# Altium PCB JammerCon_v1.1.PcbDoc (part 2 of 2)
Units mm, origin at the board's own origin, x right, y up, seen from the top; angles counter-clockwise.
Board outline 253.36 x 28.19 mm, 2 copper layers (Top Layer, Bottom Layer), stack 1.671 mm thick; 135 components, 65 nets, 440 pads, 735 vias.
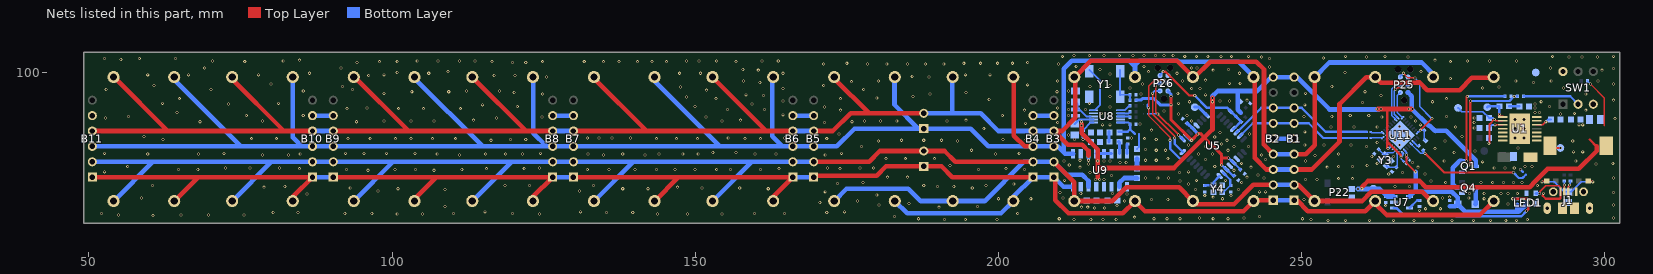
[diagram p2: the nets of this part, all layers, seen from the top]

## Via types
v1: diameter 0.5, hole 0.3, Top Layer to Bottom Layer, tented both sides, 729 vias
v2: diameter 0.6, hole 0.504, Top Layer to Bottom Layer, tented both sides, 6 vias

## Nets (pads, with @x,y where several pads share a name; then routed paths per layer and width w, separated by ;. In a path a pad name is that pad's centre, name@x,y a point inside that pad or via, vN(x,y) a via of type N, cw(c..) or ccw(c..) an arc to the next point about the centre after c; other vN are vias at no path point) (continued)
GND: B1.5 B2.5 B3.5 B4.5 B5.5 B6.5 B7.5 B8.5 B9.5 B10.5 B11.5 C2.1 C5.1 C7.1 C8.1 C10.1 C14.1 C15.1 C17.2 C19.1 C20.1 C21.2 C22.2 C23.2 C24.2 C25.2 C26.2 C29.2 C34.1 C35.1 C37.2 C38.2 C39.1 C41.1 C42.1 C43.2 C44.2 P22.1 P25.6 P26.6 R4.1 R5.2 R24.2 R33.1 R36.1 SB3.2 SW1.3 SW1.4 TP6.1 U1.6 U1.7 U1.11 U1.12 U1.13 U1.14 U1.15 U5.3 U5.5 U5.21 U7.2 U8.4 U8.9 U9.2 U9.9 U9.11 U9.15 U11.3 U11.33 Y1.2 Y3.2 Y3.4 Y4.2 Y4.4 | length 17.7
  Bottom Layer w0.381: v1(286.131,83.947) SB3.2@286.527,83.551 SB3.2@286.497,83.551
  Bottom Layer w0.762: B10.5@86.868,92.837 B9.5@90.297,92.837 ; B8.5@126.492,92.837 B7.5@129.921,92.837 ; B6.5@166.116,92.837 B5.5@169.545,92.837 ; B4.5@205.74,92.837 B3.5@209.169,92.837 ; B2.5@245.364,89.027 B1.5@248.793,89.027
  other v1: 254.381,75.565 257.302,75.565 261.239,75.565 265.176,75.565 268.605,75.565 271.653,75.565 274.828,75.565 278.384,75.565 281.178,75.565 283.718,75.565 285.496,75.565 191.135,75.692 194.564,75.692 199.771,75.692 212.471,75.692 215.265,75.692 217.297,75.692 219.456,75.692 251.587,75.692 287.274,75.692 186.817,75.819 210.058,75.819 225.679,75.819 227.838,75.819 229.997,75.819 235.458,75.819 237.871,75.819 250.19,75.819 233.172,75.946 240.538,75.946 301.498,75.946 222.504,76.073 182.88,76.2 243.078,76.2 60.579,76.327 54.864,76.454 65.151,76.454 69.723,76.454 75.565,76.454 100.838,76.581 105.029,76.581 124.333,76.581 143.764,76.581 148.717,76.581 154.432,76.581 52.07,76.708 92.202,76.708 96.647,76.708 110.109,76.708 119.888,76.708 159.766,76.708 164.719,76.708 203.2,76.708 80.391,76.835 84.455,76.835 135.382,76.835 139.7,76.835 171.704,76.835 115.316,76.962 131.064,76.962 174.625,76.962 269.494,77.216 270.51,77.47 272.923,77.47 215.9,77.597 217.551,77.597 190.246,77.724 213.741,77.724 214.757,77.724 108.712,77.851 196.596,77.851 219.583,77.978 263.906,77.978 180.34,78.105 301.498,78.105 284.099,78.232 185.293,78.359 170.561,78.486 266.192,78.486 176.784,78.74 220.853,78.74 225.298,78.994 227.965,78.994 250.444,78.994 200.025,79.121 205.359,79.121 236.982,79.121 280.162,79.121 58.674,79.248 210.693,79.248 273.304,79.248 277.622,79.248 235.458,79.375 274.447,79.375 234.061,79.629 238.379,79.629 179.959,79.756 85.979,79.883 221.234,79.883 213.614,80.01 218.821,80.01 277.749,80.01 280.162,80.01 282.956,80.01 284.099,80.01 285.623,80.01 210.185,80.137 301.498,80.137 171.45,80.264 243.078,80.264 244.094,80.264 256.159,80.264 97.663,80.391 130.937,80.391 108.712,80.645 232.537,80.645 239.649,80.645 100.965,80.772 138.049,80.772 142.24,80.772 162.052,80.772 93.091,80.899 151.13,80.899 157.353,80.899 195.707,80.899 78.867,81.026 147.066,81.026 82.296,81.153 189.992,81.153 192.659,81.153 265.43,81.153 267.843,81.153 60.452,81.28 118.618,81.28 122.682,81.28 133.223,81.28 187.706,81.28 197.993,81.28 202.565,81.534 231.394,81.534 173.482,81.661 177.673,81.788 240.157,81.788 273.812,81.788 279.654,81.788 281.559,81.788 283.337,81.788 284.988,81.788 286.385,81.788 229.997,82.042 271.399,82.042 210.947,82.169 232.664,82.169 237.49,82.169 250.698,82.296 252.603,82.296 256.159,82.423 258.445,82.423 224.282,82.55 226.314,82.55 228.092,82.55 243.84,82.55 301.498,82.55 181.737,82.677 185.039,82.677 241.046,82.677 218.694,82.931 242.824,83.058 264.414,83.185 270.383,83.185 215.138,83.439 229.87,83.439 266.7,83.439 52.578,83.566 231.394,83.566 96.012,83.82 106.934,83.82 238.887,83.82 64.77,83.947 67.945,83.947 92.456,83.947 100.457,83.947 103.886,83.947 111.506,83.947 132.207,83.947 135.763,83.947 140.081,83.947 143.637,83.947 146.685,83.947 149.987,83.947 153.543,83.947 155.829,83.947 160.782,83.947 196.723,83.947 204.343,83.947 84.709,84.074 115.57,84.074 121.793,84.074 163.83,84.074 173.863,84.074 201.295,84.074 72.517,84.201 76.581,84.201 81.407,84.201 124.333,84.201 171.831,84.201 177.165,84.201 179.451,84.201 281.813,84.201 283.591,84.201 285.115,84.201 213.487,84.328 241.681,84.328 254.254,84.328 269.24,84.328 56.388,84.455 235.712,84.455 256.159,84.455 258.445,84.455 276.479,84.455 286.893,84.455 288.036,84.455 192.024,84.582 260.858,84.582 211.709,84.709 298.577,84.836 240.157,84.963 262.509,84.963 301.371,84.963 220.091,85.09 221.107,85.09 268.351,85.09 279.908,85.217 210.82,85.344 250.698,85.344 273.558,85.344 295.275,85.344 213.487,85.471 224.282,85.471 226.06,85.471 234.188,85.598 244.094,85.598 181.483,85.725 184.658,85.725 189.484,85.725 227.965,85.725 261.62,86.106 265.176,86.106 252.222,86.233 78.613,86.36 82.931,86.36 111.125,86.36 134.874,86.36 141.732,86.36 171.45,86.36 243.459,86.36 59.69,86.487 68.072,86.487 84.836,86.487 107.442,86.487 115.443,86.487 118.745,86.487 121.539,86.487 132.334,86.487 138.049,86.487 144.018,86.487 147.955,86.487 150.495,86.487 159.893,86.487 163.322,86.487 199.517,86.487 233.045,86.487 235.331,86.487 256.159,86.487 52.578,86.614 72.263,86.614 92.329,86.614 95.377,86.614 99.06,86.614 103.759,86.614 124.46,86.614 174.117,86.614 203.454,86.614 152.908,86.741 156.718,86.741 275.209,86.741 294.894,86.868 296.418,86.868 278.638,86.995 195.58,87.122 226.06,87.122 227.584,87.122 237.871,87.122 224.282,87.249 272.034,87.376 285.75,87.503 177.419,87.757 234.188,87.757 238.887,87.757 241.3,87.757 260.731,87.757 231.394,88.011 250.571,88.011 253.746,88.011 258.191,88.011 266.192,88.011 236.855,88.138 262.509,88.392 180.213,88.646 193.294,88.646 273.685,88.646 294.767,88.646 116.332,88.773 184.023,88.773 187.706,88.773 190.627,88.773 237.744,88.773 265.43,88.773 266.954,88.773 62.23,88.9 85.598,88.9 119.507,88.9 122.047,88.9 200.787,88.9 204.597,88.9 212.598,88.9 226.06,88.9 76.835,89.027 80.899,89.027 92.71,89.027 96.393,89.027 100.584,89.027 103.124,89.027 106.68,89.027 110.49,89.027 143.637,89.027 146.939,89.027 150.368,89.027 158.242,89.027 160.782,89.027 171.704,89.027 224.155,89.027 132.207,89.154 134.112,89.154 136.271,89.154 139.319,89.154 155.448,89.154 164.719,89.154 221.996,89.154 235.712,89.281 59.055,89.408 267.716,89.408 276.479,89.408 264.795,89.535 266.192,89.535 211.582,89.662 173.736,89.789 241.427,89.789 236.601,90.043 250.571,90.17 265.43,90.297 266.954,90.297 225.298,90.424 197.612,90.678 278.511,90.805 254.889,90.932 258.699,90.932 262.509,90.932 275.463,90.932 266.192,91.059 217.17,91.313 218.44,91.313 269.621,91.313 223.393,91.44 204.47,91.567 171.323,91.694 209.804,91.694 278.511,91.694 68.326,91.821 94.107,91.821 175.895,91.821 78.613,91.948 98.679,91.948 103.124,91.948 106.934,91.948 154.432,91.948 177.927,91.948 180.594,91.948 183.261,91.948 191.516,91.948 231.902,91.948 268.859,91.948 113.411,92.075 157.48,92.075 194.691,92.075 301.752,92.329 52.705,92.456 117.221,92.456 278.511,92.456 124.714,92.583 151.765,92.583 263.271,92.583 268.097,92.583 56.515,92.71 218.44,92.71 250.444,92.71 255.016,92.71 273.939,92.71 75.946,92.837 85.344,92.837 200.66,92.837 211.582,92.837 231.14,92.837 258.064,92.837 261.112,92.837 164.465,92.964 229.743,93.091 292.735,93.091 217.043,93.218 295.021,93.218 64.516,93.345 288.544,93.345 289.306,93.345 227.33,93.599 173.99,93.726 204.343,93.726 296.926,93.726 155.321,93.853 161.417,93.853 211.582,93.853 214.376,93.853 92.583,93.98 101.092,93.98 105.156,93.98 111.252,93.98 95.885,94.107 209.804,94.107 288.544,94.107 171.323,94.234 218.44,94.234 120.65,94.361 149.987,94.361 290.957,94.361 114.935,94.615 250.571,94.615 73.025,94.742 159.385,94.742 288.544,94.742 62.103,94.869 81.28,94.869 215.011,94.869 229.743,94.869 211.582,94.996 260.096,94.996 231.521,95.123 271.653,95.123 289.56,95.123 164.465,95.25 236.601,95.25 238.125,95.25 241.046,95.377 301.498,95.377 198.501,95.504 64.897,95.631 153.416,95.631 173.99,95.631 273.939,95.631 179.959,95.758 148.59,95.885 185.928,96.012 218.44,96.012 161.29,96.139 263.144,96.139 158.369,96.266 234.188,96.266 124.841,96.393 188.722,96.393 223.52,96.393 296.926,96.393 98.679,96.52 229.616,96.52 250.698,96.52 120.142,96.647 194.691,96.647 103.251,96.774 109.347,96.774 209.677,96.774 260.477,96.774 85.344,96.901 112.268,96.901 117.729,96.901 211.582,96.901 151.892,97.028 52.832,97.155 70.104,97.155 93.472,97.155 177.8,97.155 164.465,97.282 231.902,97.282 233.299,97.282 221.742,97.409 279.908,97.409 293.243,97.409 147.574,97.536 282.575,97.536 91.821,97.663 215.138,97.663 255.016,97.663 60.706,97.79 171.196,97.79 218.44,97.79 296.926,97.79 204.851,97.917 80.01,98.044 223.774,98.044 301.498,98.044 238.125,98.171 239.903,98.171 160.655,98.298 288.29,98.298 175.768,98.425 157.988,98.552 180.213,98.552 209.804,98.552 230.378,98.552 285.369,98.552 291.211,98.552 298.958,98.552 234.188,98.679 274.574,98.933 125.476,99.187 188.595,99.187 185.801,99.314 96.139,99.441 116.84,99.441 120.269,99.441 59.69,99.568 66.421,99.568 77.978,99.568 98.679,99.568 194.564,99.568 198.628,99.568 218.44,99.695 86.36,99.822 106.045,99.822 147.447,99.822 150.876,99.822 164.465,99.822 229.489,99.822 239.776,99.822 100.838,99.949 257.175,99.949 109.22,100.076 224.79,100.076 269.748,100.076 160.401,100.33 235.458,100.33 299.593,100.33 157.861,100.457 216.789,100.457 237.998,100.457 301.498,100.584 69.088,100.711 91.567,100.711 231.902,100.711 232.791,100.711 291.084,100.711 244.729,100.838 212.852,100.965 224.028,100.965 171.196,101.346 178.435,101.346 181.61,101.346 185.039,101.346 187.96,101.346 191.008,101.346 209.931,101.346 175.006,101.473 194.31,101.473 197.104,101.473 199.898,101.473 202.311,101.473 94.234,101.6 119.888,101.6 122.047,101.6 204.851,101.6 75.692,101.727 97.917,101.727 100.838,101.727 116.459,101.727 124.841,101.727 131.699,101.727 134.874,101.727 137.414,101.727 140.462,101.727 142.875,101.727 145.288,101.727 156.718,101.727 274.574,101.727 70.358,101.854 82.042,101.854 104.14,101.854 107.569,101.854 111.125,101.854 113.665,101.854 148.59,101.854 150.622,101.854 153.543,101.854 161.036,101.854 163.703,101.854 277.368,101.854 281.051,101.854 285.496,101.854 84.709,101.981 272.034,101.981 55.245,102.108 52.578,102.235 58.293,102.235 64.262,102.235 244.729,102.235 253.619,102.362 243.459,102.489 260.731,102.489 267.589,102.489 294.132,102.489 296.291,102.489 298.831,102.489 210.566,102.616 230.759,102.616 232.664,102.616 234.569,102.616 236.728,102.616 238.506,102.616 241.3,102.616 257.302,102.616 263.779,102.616 291.465,102.616 301.498,102.616 212.471,102.743 215.011,102.743 217.424,102.743 219.964,102.743 222.25,102.743 224.028,102.743 225.933,102.743 227.33,102.743 228.854,102.743
  other v2: 285.254,89.178 286.754,89.178 285.254,90.678 286.754,90.678 285.254,92.178 286.754,92.178
MISO1: P25.1 U11.17 | length 4.7
  Bottom Layer w0.254: P25.1@266.319,96.647 265.811,96.139 265.811,93.345 U11.17@266.683,92.473
MISO2: P26.1 U5.16 | length 13.2
  Top Layer w0.305: v1(225.425,96.52) 225.476,96.469 225.476,93.04 229.108,89.408 v1(229.108,89.154)
  Bottom Layer w0.305: v1(225.425,96.52) 225.806,96.901 P26.1@226.695,96.901
  Bottom Layer w0.381: v1(229.108,89.154) 229.108,88.163 U5.16@230.443,86.829
MOSI1: P25.4 U11.16 | length 7.4
  Top Layer w0.254: v1(265.557,97.155) 265.811,97.409 v1(267.081,97.409)
  Bottom Layer w0.254: v1(265.557,97.155) 265.303,96.901 265.303,93.075 U11.16@265.905,92.473 ; v1(267.081,97.409) P25.4@267.589,97.917
MOSI2: P26.4 SB4.1 U5.15 | length 19.7
  Top Layer w0.254: v1(227.457,98.679) 225.806,98.679 224.79,97.663 224.79,92.837 228.346,89.281 v1(228.346,88.773)
  Bottom Layer w0.254: v1(227.457,98.679) P26.4@227.965,98.171
  Bottom Layer w0.381: SB4.1@224.645,94.666 224.645,94.242 v1(224.768,94.119) ; v1(228.346,88.773) 228.346,87.376 229.997,85.725 230.471,85.725 U5.15@231.008,86.263
NetC8_2: C8.2 U1.5 | length 2.7
  Top Layer w0.305: U1.5@288.804,91.328 289.829,91.328 v1(290.322,91.821)
  Bottom Layer w0.305: v1(290.322,91.821) 290.703,92.202 C8.2@291.173,92.202
NetC10_2: C10.2 R6.2 | length 1.7
  Bottom Layer w0.381: R6.2@284.264,94.361 C10.2@285.966,94.361
NetC18_2: C18.2 U8.1 | length 2.3
  Bottom Layer w0.305: C18.2@213.995,90.416 213.995,90.424 215.281,91.71 U8.1@215.707,91.71
NetC20_2: C20.2 C21.1 U8.3 | length 4
  Bottom Layer w0.305: C20.2@212.725,95.112 213.098,94.739 213.098,93.853 213.36,93.853 214.503,92.71 U8.3@215.199,92.71
NetC26_1: C26.1 R28.2 Y1.1 Y1.4 | length 6.8
  Bottom Layer w0.305: Y1.4@220.091,100.398 220.091,96.198 220.159,96.266 C26.1@221.75,96.266 R28.2@221.75,95.377
NetC27_1: C27.1 R29.2 | length 1.7
  Bottom Layer w0.508: R29.2@218.275,88.519 C27.1@218.275,90.17
NetC28_1: C28.1 R30.2 | length 1.6
  Bottom Layer w0.762: R30.2@222.885,84.112 C28.1@222.885,85.725
NetC29_1: C29.1 U9.8 | length 1.6
  Bottom Layer w0.508: U9.8@221.234,86.558 C29.1@221.234,88.138
NetC37_1: C37.1 U11.2 Y3.1 | length 3.4
  Bottom Layer w0.254: C37.1@262.763,87.249 263.622,86.39 Y3.1@263.8,86.39 264.151,86.741 265.193,86.741 U11.2@265.551,87.099
NetC38_1: C38.1 U11.1 Y3.3 | length 4.3
  Bottom Layer w0.254: Y3.3@264.012,84.552 264.263,84.301 C38.1@265.657,84.301 265.811,84.455 265.811,86.652 U11.1@265.905,86.746
NetC40_2: C40.2 U11.27 | length 1.2
  Bottom Layer w0.254: U11.27@268.451,88.513 269.107,87.857 C40.2@269.394,87.857
NetC43_1: C43.1 U5.7 Y4.1 | length 4.5
  Bottom Layer w0.254: Y4.1@236.945,80.197 237.169,80.197 238.244,81.272 238.252,81.272 C43.1@238.379,81.272
  Bottom Layer w0.381: U5.7@237.079,83.434 238.252,82.262 C43.1@238.252,81.272
NetC44_1: C44.1 U5.8 Y4.3 | length 3.4
  Bottom Layer w0.381: C44.1@234.061,81.272 234.136,81.347 Y4.3@235.495,81.347 235.495,81.85 U5.8@236.513,82.869
NetD1_2: D1.2 L4.2 TP2.1 U1.1 U1.2 | length 1.9
  Top Layer w0.381: L4.2@291.006,87.884 291.387,87.503 v1(292.735,87.503)
NetD4_1: D4.1 Q1.2 Q4.3 R2.1 | length 29.2
  Top Layer w0.381: v1(277.241,85.344) 277.241,95.885 v1(277.368,96.012)
  Bottom Layer w0.381: Q1.2@276.465,85.405 277.18,85.405 v1(277.241,85.344) ; v1(277.368,96.012) R2.1@283.599,96.012
  Bottom Layer w0.762: Q1.2@276.465,85.405 276.159,85.405 274.955,84.201 274.955,81.534 275.524,80.965 Q4.3@278.772,80.965 278.772,78.288 D4.1@278.716,78.232
NetJ1_1: J1.1 L1.1 | length 9.8
  Top Layer w0.254: v1(289.306,80.01) 289.306,80.264 290.322,81.28 292.481,81.28 292.745,81.016 J1.1@292.745,80.264
  Top Layer w0.381: 289.814,79.629 290.322,79.121 292.608,79.121 292.745,79.258 J1.1@292.745,80.264
  Bottom Layer w0.508: L1.1@288.671,80.01 v1(289.306,80.01)
  other v1: 289.949,80.018
NetJ1_2: J1.2 R26.2 | length 1.8
  Top Layer w0.254: v1(293.37,81.407) 293.395,81.382 J1.2@293.395,80.264
  Bottom Layer w0.254: v1(293.37,81.407) R26.2@293.37,82.042
NetJ1_3: J1.3 R27.2 | length 1.9
  Top Layer w0.254: J1.3@294.045,80.264 294.045,81.193 v1(294.259,81.407)
  Bottom Layer w0.254: v1(294.259,81.407) 294.386,81.534 R27.2@294.386,82.05
NetL3_2: L3.2 Z3.1 Z4.1 | length 11.4
  Top Layer w0.254: v1(289.687,81.915) 289.814,82.042 Z3.1@290.449,82.042 ; Z4.1@297.307,82.042 297.942,82.042 v1(298.069,81.915)
  Bottom Layer w0.254: v1(289.687,81.915) 291.719,81.915 293.369,80.265 L3.2@293.878,80.265 294.514,80.265 296.164,81.915 v1(298.069,81.915)
NetLED1_A: LED1.A R25.1 | length 3.4
  Top Layer w0.381: v1(284.861,79.121) 287.266,79.121 LED1.A@287.401,78.986
  Bottom Layer w0.381: v1(284.861,79.121) 285.615,79.121 R25.1@285.623,79.113
NetLED1_C: LED1.C U7.1 | length 23.8
  Top Layer w0.381: v1(287.147,77.089) 287.401,77.343 LED1.C@287.401,77.986
  Bottom Layer w0.381: U7.1@265.243,77.597 265.684,77.597 266.827,76.454 275.336,76.454 275.552,76.238 286.296,76.238 v1(287.147,77.089)
NetQ1_1: Q1.1 R2.2 R7.1 | length 20.6
  Top Layer w0.381: v1(277.622,84.709) 277.876,84.963 v1(277.876,95.25)
  Bottom Layer w0.381: Q1.1@276.672,83.505 Q1.1@276.465,83.505 277.622,84.662 v1(277.622,84.709) ; v1(277.876,95.25) 284.353,95.25 v1(285.115,96.012) R7.1@285.631,96.012
NetR3_2: R3.2 R5.1 TP4.1 U1.9 | length 13.2
  Top Layer w0.305: v1(280.924,88.265) 281.051,88.265 281.051,91.44 v1(281.821,92.21) ; 282.037,91.978 U1.9@283.204,91.978
  Bottom Layer w0.305: TP4.1@275.844,94.107 276.479,93.472 279.946,93.472 R5.1@280.962,92.456 281.575,92.456 v1(281.821,92.21) ; v1(280.924,88.265) 280.962,88.303 R3.2@280.962,89.154
NetR4_2: R4.2 U1.10 | length 2.5
  Top Layer w0.305: v1(281.94,91.313) 281.955,91.328 U1.10@283.204,91.328
  Bottom Layer w0.305: R4.2@280.962,90.805 281.47,91.313 v1(281.94,91.313)
NetR6_1: R6.1 TP5.1 U1.8 | length 4.3
  Top Layer w0.381: v1@282.657,93.046 282.657,92.628 U1.8@283.204,92.628
  Bottom Layer w0.381: TP5.1@280.67,94.234 280.797,94.361 R6.1@282.664,94.361 R6.1@282.664,94.361 v1(282.665,93.054)
NetR7_2: R7.2 SW1.2 | length 9.6
  Bottom Layer w0.381: R7.2@286.631,96.012 294.353,96.012 SW1.2@295.656,94.709
NetR21_2: R21.2 U8.8 | length 2.2
  Bottom Layer w0.305: U8.8@219.649,92.71 221.623,92.71 R21.2@221.75,92.583
NetR22_2: R22.2 U8.7 | length 2.2
  Bottom Layer w0.305: U8.7@219.649,93.21 221.488,93.21 R22.2@221.75,93.472
NetR23_2: R23.2 U8.6 | length 2.4
  Bottom Layer w0.305: U8.6@219.649,93.71 220.837,93.71 221.572,94.445 R23.2@221.75,94.445
NetR24_1: R24.1 U7.5 | length 2.2
  Bottom Layer w0.381: U7.5@267.843,77.597 269.105,78.859 R24.1@269.494,78.859
NetR29_1: R29.1 U9.7 | length 2
  Bottom Layer w0.508: R29.1@219.875,88.519 219.964,88.43 U9.7@219.964,86.558
NetR30_1: R30.1 U9.10 | length 3.9
  Bottom Layer w0.762: U9.10@219.964,81.082 219.964,81.75 220.764,82.55 222.847,82.55 R30.1@222.885,82.512
NetR37_1: R37.1 U11.9 | length 2.1
  Bottom Layer w0.254: R37.1@261.429,90.17 261.601,89.998 U11.9@263.43,89.998
NetR38_1: R38.1 U11.8 | length 2
  Bottom Layer w0.254: R38.1@261.429,89.154 261.496,89.221 U11.8@263.43,89.221
NetTP9_1: TP9.1 U5.24 | length 2.5
  Bottom Layer w0.508: TP9.1@232.41,94.234 233.068,94.234 U5.24@234.403,92.899
NetU8_5: U8.5 Y1.3 | length 8.5
  Bottom Layer w0.305: Y1.3@215.011,100.398 216.789,98.62 216.789,94.615 215.884,93.71 U8.5@215.199,93.71
RESET1: D5.1 P25.5 R34.1 U11.24 | length 16.8
  Top Layer w0.254: v1(266.827,99.822) 267.589,99.06 v1(268.732,99.06) ; v1(269.621,90.424) v1(271.526,92.329)
  Bottom Layer w0.254: P25.5@266.319,99.187 266.319,99.314 v1(266.827,99.822) ; v1(268.732,99.06) 269.494,98.298 269.494,94.361 v1(271.526,92.329) ; U11.24@269.158,89.998 269.611,90.451 R34.1@270.283,90.451 270.283,88.897 D5.1@270.459,88.722
RESET2: C36.1 D6.1 P26.5 R35.1 U5.29 | length 18.9
  Top Layer w0.381: v1(227.203,100.076) 227.584,100.076 231.521,96.139 v1(232.41,96.139)
  Bottom Layer w0.381: P26.5@226.695,99.441 226.695,99.568 v1(227.203,100.076) ; v1(232.41,96.139) 234.442,94.107 237.799,94.107 R35.1@239.295,92.61 C36.1@240.057,91.848 238.845,90.636 U5.29@238.776,90.636
RXD1_16u2: B1.6 B2.6 R38.2 U5.31 | length 22.7
  Bottom Layer w0.381: U5.31@239.908,89.505 241.969,91.567 B2.6@245.364,91.567 B1.6@248.793,91.567 251.206,91.567 253.619,89.154 R38.2@260.794,89.154
SCK1: P25.3 U11.15 | length 7.1
  Bottom Layer w0.254: U11.15@265.551,92.12 265.551,92.22 264.897,92.874 264.897,97.243 265.57,97.917 P25.3@266.319,97.917
SCK2: P26.3 SB2.1 U5.17 | length 13.2
  Top Layer w0.305: v1(225.933,97.79) 225.98,97.743 225.98,93.425 v1(229.743,89.662)
  Bottom Layer w0.305: SB2.1@224.645,93.142 v1@226.238,93.142 ; v1(225.933,97.79) 226.314,98.171 P26.3@226.695,98.171
  Bottom Layer w0.381: v1(229.743,89.662) U5.17@230.443,88.962
  Bottom Layer w0.508: U5.17@230.443,88.939 U5.17@230.443,88.962
  other v1: 226.314,93.091
TR1+: B1.3 B2.3 B3.3 B4.3 B5.3 B6.3 B7.3 B8.3 B9.3 B10.3 B11.3 LS1.1 LS3.1 LS5.1 LS7.1 LS9.1 LS11.1 LS13.1 LS15.1 LS17.1 LS19.1 LS21.1 LS23.1 P23.1 U9.1 | length 387.7
  Top Layer w0.762: LS15.1@202.565,99.187 202.565,89.535 204.343,87.757 B4.3@205.74,87.757 ; LS19.1@242.189,99.314 242.316,99.187 242.316,85.852 244.221,83.947 B2.3@245.364,83.947 ; B1.3@248.793,83.947 251.714,83.947 256.286,88.519 256.286,94.742 260.731,99.187 LS21.1@262.175,99.187 263.085,98.277 269.056,98.277 269.078,98.298 269.494,98.298 270.764,97.028 276.098,97.028 278.13,99.06 LS23.1@281.813,99.06
  Bottom Layer w0.762: B11.3@50.546,87.757 75.057,87.757 ; LS1.1@63.754,99.06 75.057,87.757 ; LS3.1@83.613,99.187 83.613,89.234 85.09,87.757 ; LS5.1@103.759,99.441 103.759,98.933 114.935,87.757 ; LS7.1@123.317,98.933 123.317,89.916 125.476,87.757 ; LS9.1@143.383,99.314 143.383,98.425 154.051,87.757 ; LS11.1@162.687,99.187 162.687,89.408 164.338,87.757 ; LS13.1@182.88,99.314 182.88,94.615 186.817,90.678 ; 210.82,86.741 210.82,89.316 210.799,89.338 210.799,89.986 210.82,90.008 210.82,92.491 210.799,92.513 210.799,93.161 210.82,93.183 210.82,93.507 210.799,93.529 210.799,94.177 210.82,94.199 210.82,94.65 210.799,94.672 210.799,95.32 210.82,95.342 210.82,96.555 210.799,96.577 210.799,100.563 212.09,101.854 221.615,101.854 222.551,100.918 ; U9.1@212.344,86.558 211.003,86.558 209.804,87.757 B3.3@209.169,87.757 B4.3@205.74,87.757 198.374,87.757 195.453,90.678 P23.1@187.706,90.678 186.817,90.678 ; LS17.1@222.551,99.187 222.551,100.918 ; LS19.1@241.871,99.504 239.649,101.727 229.743,101.727 229.616,101.854 223.266,101.854 222.551,101.139 222.551,100.918 ; B2.3@245.364,83.947 B1.3@248.793,83.947 ; 75.057,87.757 85.09,87.757 ; 85.09,87.757 B10.3@86.868,87.757 B9.3@90.297,87.757 114.935,87.757 ; 114.935,87.757 125.476,87.757 ; 125.476,87.757 B8.3@126.492,87.757 B7.3@129.921,87.757 154.051,87.757 ; 154.051,87.757 164.338,87.757 ; 164.338,87.757 B6.3@166.116,87.757 B5.3@169.545,87.757 173.355,87.757 176.276,90.678 186.817,90.678
TR1-: B1.4 B2.4 B3.4 B4.4 B5.4 B6.4 B7.4 B8.4 B9.4 B10.4 B11.4 LS1.2 LS3.2 LS5.2 LS7.2 LS9.2 LS11.2 LS13.2 LS15.2 LS17.2 LS19.2 LS21.2 LS23.2 P23.2 U9.3 | length 361.4
  Top Layer w0.762: B11.4@50.546,90.297 62.992,90.297 ; LS1.2@53.975,99.314 62.992,90.297 ; LS3.2@73.279,99.187 82.169,90.297 ; B10.4@86.868,90.297 82.169,90.297 ; B9.4@90.297,90.297 102.743,90.297 ; LS5.2@93.599,99.441 102.743,90.297 ; LS7.2@113.237,99.187 122.127,90.297 ; B8.4@126.492,90.297 122.127,90.297 ; B7.4@129.921,90.297 141.986,90.297 ; LS9.2@133.096,99.187 141.986,90.297 ; LS11.2@152.861,99.187 161.751,90.297 ; B6.4@166.116,90.297 161.751,90.297 ; B5.4@169.545,90.297 172.72,90.297 175.641,93.218 P23.2@187.706,93.218 ; LS13.2@172.974,99.314 172.974,98.933 178.689,93.218 ; B3.4@209.169,90.297 210.566,90.297 212.725,92.456 212.725,99.06 212.598,99.187 215.265,101.854 229.489,101.854 232.283,99.06 234.95,101.727 242.57,101.727 243.84,100.457 243.84,88.011 B2.4@245.364,86.487 ; B3.4@209.296,90.17 211.455,88.011 213.868,88.011 214.884,86.995 214.884,86.233 ; B1.4@248.793,86.487 250.698,86.487 252.175,87.964 LS21.2@252.175,99.187 ; 62.992,90.297 82.169,90.297 ; 102.743,90.297 122.127,90.297 ; 141.986,90.297 161.751,90.297
  Bottom Layer w0.508: v1(214.884,85.471) U9.3@214.884,86.558
  Bottom Layer w0.762: B10.4@86.868,90.297 B9.4@90.297,90.297 ; B8.4@126.492,90.297 B7.4@129.921,90.297 ; B6.4@166.116,90.297 B5.4@169.545,90.297 ; P23.2@187.706,93.218 192.405,93.218 ; LS15.2@192.532,98.933 192.405,98.806 192.405,93.218 ; B3.4@209.169,90.297 B4.4@205.74,90.297 200.025,90.297 197.104,93.218 192.405,93.218 ; B2.4@245.364,86.487 B1.4@248.793,86.487 ; LS21.2@252.175,99.187 254.588,101.6 269.875,101.6 LS23.2@272.034,99.441
  other v1: 214.884,84.836
TR2+: B1.1 B2.1 B3.1 B4.1 B5.1 B6.1 B7.1 B8.1 B9.1 B10.1 B11.1 LS2.1 LS4.1 LS6.1 LS8.1 LS10.1 LS12.1 LS14.1 LS16.1 LS18.1 LS20.1 LS22.1 LS24.1 P24.1 U9.16 | length 305.9
  Top Layer w0.762: B11.1@50.546,82.677 67.992,82.677 ; LS2.1@64.055,78.74 67.992,82.677 ; LS4.1@83.613,78.74 83.613,79.422 B10.1@86.868,82.677 67.992,82.677 ; B9.1@90.297,82.677 107.315,82.677 ; LS6.1@103.679,78.74 103.679,79.041 107.315,82.677 ; LS8.1@123.237,78.74 123.237,79.422 B8.1@126.492,82.677 107.315,82.677 ; B7.1@129.921,82.677 147.24,82.677 ; LS10.1@143.303,78.74 147.24,82.677 ; LS12.1@162.861,78.74 162.861,79.422 B6.1@166.116,82.677 147.24,82.677 ; B5.1@169.545,82.677 169.799,82.931 179.959,82.931 181.483,84.455 P24.1@187.706,84.455 190.627,84.455 192.405,82.677 B4.1@205.74,82.677 ; B3.1@209.169,82.677 209.423,82.423 209.423,80.483 209.402,80.461 209.402,78.888 211.582,76.708 220.519,76.708 LS18.1@222.551,78.74 224.202,77.089 240.458,77.089 LS20.1@242.109,78.74 242.236,78.867 B2.1@245.364,78.867 ; B1.1@248.793,78.867 249.301,78.867 251.079,77.089 260.524,77.089 LS22.1@262.175,78.74 262.175,78.312 264.054,76.433 279.426,76.433 LS24.1@281.733,78.74
  Bottom Layer w0.762: B10.1@86.868,82.677 B9.1@90.297,82.677 ; B8.1@126.492,82.677 B7.1@129.921,82.677 ; B6.1@166.116,82.677 B5.1@169.545,82.677 ; LS14.1@182.927,78.74 184.959,76.708 200.453,76.708 LS16.1@202.485,78.74 202.485,79.422 B4.1@205.74,82.677 B3.1@209.169,82.677 210.764,81.082 U9.16@212.344,81.082 ; B2.1@245.364,78.867 B1.1@248.793,78.867
TR2-: B1.2 B2.2 B3.2 B4.2 B5.2 B6.2 B7.2 B8.2 B9.2 B10.2 B11.2 LS2.2 LS4.2 LS6.2 LS8.2 LS10.2 LS12.2 LS14.2 LS16.2 LS18.2 LS20.2 LS22.2 LS24.2 P24.2 U9.14 | length 336.2
  Top Layer w0.762: B5.2@169.545,85.217 178.689,85.217 180.467,86.995 191.135,86.995 192.913,85.217 B4.2@205.74,85.217 ; B3.2@209.169,85.217 212.551,81.835 LS18.2@212.551,78.74 218.821,78.74 221.107,81.026 229.823,81.026 LS20.2@232.109,78.74 232.617,78.232 238.887,78.232 242.062,81.407 B2.2@245.364,81.407 ; B1.2@248.793,81.407 249.508,81.407 LS22.2@252.175,78.74 260.006,78.74 261.54,80.273 269.969,80.273 271.503,78.74 LS24.2@271.733,78.74
  Bottom Layer w0.762: B11.2@50.546,85.217 50.567,85.238 63.606,85.238 63.627,85.217 ; LS2.2@54.055,78.74 60.532,85.217 63.627,85.217 ; LS4.2@73.613,78.74 80.09,85.217 ; LS6.2@93.679,78.74 100.156,85.217 ; LS8.2@113.237,78.74 119.714,85.217 ; LS10.2@133.303,78.74 139.78,85.217 ; LS12.2@152.861,78.74 159.338,85.217 ; B5.2@169.545,85.217 B6.2@166.116,85.217 159.338,85.217 ; LS14.2@172.927,78.74 174.959,80.772 185.166,80.772 187.198,78.74 LS16.2@192.485,78.74 197.739,78.74 204.216,85.217 B4.2@205.74,85.217 B3.2@209.169,85.217 211.328,83.058 213.868,83.058 214.884,82.042 U9.14@214.884,81.082 ; B2.2@245.364,81.407 B1.2@248.793,81.407 ; 63.627,85.217 80.09,85.217 ; 80.09,85.217 B10.2@86.868,85.217 B9.2@90.297,85.217 100.156,85.217 ; 100.156,85.217 119.714,85.217 ; 119.714,85.217 B8.2@126.492,85.217 B7.2@129.921,85.217 139.78,85.217 ; 139.78,85.217 159.338,85.217
TXD1_16u2: B1.7 B2.7 R37.2 U5.30 | length 24.8
  Bottom Layer w0.381: U5.30@239.342,90.071 243.378,94.107 B2.7@245.364,94.107 B1.7@248.793,94.107 250.063,94.107 254,90.17 R37.2@260.794,90.17
UGND: C16.1 C40.1 J1.5 J1.MT L3.1 SB3.1 U11.28 | length 22
  Top Layer w0.381: v1(270.383,86.614) 273.558,83.439 v1(284.988,83.439)
  Bottom Layer w0.254: U11.28@268.097,88.16 269.643,86.614 v1(270.383,86.614)
  Bottom Layer w0.381: C40.1@269.975,87.022 v1(270.383,86.614) ; v1(284.988,83.439) 285.877,82.55 286.482,82.55 SB3.1@287.005,83.073
  other v1: 288.925,81.28
VBAT: C5.2 C7.2 C19.2 L4.1 P22.2 R1.1 TP1.1 U1.3 U7.3 | length 59.4
  Top Layer w0.254: v1(297.688,98.044) 299.974,95.758 299.974,91.186
  Top Layer w0.381: 297.561,88.9 298.704,87.757
  Top Layer w0.762: 260.019,81.076 260.985,82.042 269.494,82.042 270.531,81.005 286.709,81.005 286.731,81.026 287.655,81.026 288.142,81.513 288.142,81.604 290.611,84.074 295.783,84.074 298.704,86.995 298.704,87.757
  Bottom Layer w0.254: R1.1@297.172,98.552 297.18,98.552 v1(297.688,98.044)
  Bottom Layer w0.762: v1@259.334,80.729 262.933,80.729 264.165,79.497 U7.3@265.243,79.497
  other v1: 259.342,80.737 259.969,80.772 295.783,91.313 296.418,91.313
VBUS: C16.2 C35.2 D4.2 L1.2 Q4.1 R25.2 R33.2 U7.4 U11.31 | length 33
  Top Layer w0.305: v1(267.335,86.36) 267.335,85.09 v1@268.732,83.693
  Bottom Layer w0.305: U11.31@267.036,87.099 267.335,86.801 v1(267.335,86.36) 267.335,85.979 C35.2@267.467,85.847
  Bottom Layer w0.762: U7.4@267.843,79.497 268.619,80.273 274.819,80.273 275.766,79.326 D4.2@275.766,78.232 ; v1(268.859,83.566) 268.859,80.391 268.977,80.273 ; R33.2@274.447,77.859 275.393,77.859 D4.2@275.766,78.232 ; R25.2@285.623,78.113 285.623,77.216 285.877,76.962 ; C16.2@287.071,78.359 287.071,78.156 285.877,76.962 ; D4.2@275.766,78.232 277.036,76.962 285.877,76.962
VCC5V: B1.9 B2.9 C15.2 C17.1 C18.1 C22.1 C23.1 C24.1 C25.1 C34.2 C39.2 C41.2 C42.2 D5.2 D6.2 P25.2 P26.2 Q1.3 R28.1 R34.2 R35.2 U5.4 U5.6 U5.18 U5.20 U8.2 U9.4 U9.5 U9.6 U9.12 U9.13 U11.4 U11.32 | length 148.8
  Top Layer w0.381: 264.16,93.925 264.16,87.503 v1(264.287,87.376) ; 264.287,88.392 266.446,86.233 v1(266.446,85.979)
  Top Layer w0.508: v1(228.473,96.012) v1(228.473,94.615) 228.473,92.202 v1(231.902,88.773) v1(232.918,89.789) 233.045,89.916 233.299,89.916 233.998,89.218 236.855,86.36 236.855,85.852 ; v1(236.855,84.709) 236.855,85.852 ; v1(237.998,85.852) 236.855,85.852
  Top Layer w0.762: 213.741,91.44 v1(213.741,91.186) 213.741,89.916 216.408,87.249 216.408,82.677 ; 216.408,84.201 228.981,84.201 233.998,89.218 235.331,90.551 v1(235.331,95.123) v1(235.331,95.758) ; v1@262.636,93.925 v1(263.144,93.925) 264.16,93.925 ; 264.287,93.925 v1(267.716,93.925) v1@268.224,93.925
  Bottom Layer w0.254: v1(264.287,87.376) 264.414,87.376 U11.4@264.844,87.806 ; U11.32@266.683,86.746 266.683,86.216 v1(266.446,85.979) 266.446,85.725 C34.2@266.893,85.278
  Bottom Layer w0.381: C15.2@212.598,91.451 213.352,92.205 215.702,92.205 U8.2@215.707,92.21 ; v1(213.995,88.9) C18.1@213.995,89.416 ; v1(236.855,84.709) 237.564,84 U5.6@237.645,84 238.742,82.904 C41.2@238.914,82.904 ; v1(237.998,85.852) 238.718,85.132 U5.4@238.776,85.132 239.93,83.977 C39.2@239.93,83.92
  Bottom Layer w0.508: U9.4@216.154,86.558 U9.5@217.424,86.558 U9.6@218.694,86.558 ; R28.1@222.75,95.377 223.52,95.377 223.774,95.631 225.679,95.631 226.695,94.615 v1(228.473,94.615) ; P26.2@227.965,96.901 228.473,96.393 v1(228.473,96.012) ; U5.18@231.008,89.505 231.043,89.505 231.775,88.773 v1(231.902,88.773) ; C42.2@231.113,91.594 231.182,91.594 U5.20@232.14,90.636 232.918,89.858 v1(232.918,89.789)
  Bottom Layer w0.762: 235.331,96.012 236.22,96.901 239.458,96.901 ; R35.2@240.003,93.318 239.522,93.798 239.522,96.837 239.458,96.901 ; 262.763,93.853 254.635,93.853 249.301,99.187 B1.9@248.793,99.187 B2.9@245.364,99.187 244.983,99.187 242.697,96.901 239.458,96.901 ; P25.2@267.589,96.647 268.224,96.012 268.224,93.925 R34.2@270.991,91.159 271.172,91.159 271.983,90.348 273.888,90.348 278.765,85.471 Q1.3@278.765,84.455
  other v1: 216.027,82.296 216.725,82.296 217.424,82.296 216.408,85.344 217.424,85.344 218.44,85.344 213.741,91.821 262.509,93.925 268.351,93.925
WAV_OUT: C14.2 C27.2 SB1.2 U8.10 | length 6.2
  Bottom Layer w0.305: U8.10@219.649,91.71 221.48,91.71 C14.2@221.75,91.44
  Bottom Layer w0.381: C27.2@219.875,90.17 221.334,90.17 221.75,90.586 ; C14.2@221.75,91.44 221.75,90.586 ; SB1.2@222.547,89.789 221.75,90.586
WAV_OUT_R: C28.2 SB1.1 | length 2.6
  Bottom Layer w0.305: C28.2@222.885,87.325 C28.2@223.223,87.663
  Bottom Layer w0.381: C28.2@223.223,87.663 SB1.1@223.223,89.789
pads on no net: B3.6 B4.6 B5.6 B6.6 B7.6 B8.6 B9.6 B10.6 B11.6 J1.4 LED1.0 P22.0 P25.7 P25.8 P25.9 P26.7 P26.8 P26.9 Q1.0 Q4.0 SW1.1 SW1.6 U5.1 U5.2 U5.9 U5.10 U5.11 U5.12 U5.13 U5.14 U5.19 U5.22 U5.25 U5.26 U5.27 U5.28 U5.32 U11.5 U11.6 U11.7 U11.10 U11.11 U11.12 U11.14 U11.18 U11.19 U11.20 U11.21 U11.22 U11.23 U11.25 U11.26

## Polygon pours and split planes (outlines as drawn)
GND on Bottom Layer "Top Layer-No Net" (solid, remove dead copper, pour order 4): 49.149,74.93 302.514,74.93 302.514,103.378 49.149,103.378
UGND on Bottom Layer "Top Layer-No Net" (solid, remove dead copper, pour order 2): 287.909,81.28 290.195,83.566 297.688,83.566 299.212,82.042 299.212,75.311 287.909,75.311
GND on Top Layer "Top Layer-No Net" (solid, remove dead copper, pour order 6): 49.149,74.93 302.514,74.93 302.514,103.378 49.149,103.378
UGND on Top Layer "Top Layer-No Net" (solid, remove dead copper, pour order 0): 287.909,81.28 290.195,83.566 297.688,83.566 299.212,82.042 299.212,75.311 287.909,75.311

## Keep-outs
Keep-Out Layer:
  lines w0.254: 49.149,74.93 302.514,74.93 302.514,103.378 49.149,103.378 49.149,74.93

## Other copper
Top Layer:
  rectangle net VCC5V: 267.335,93.472 268.732,94.361
  rectangle net BAT5V: 281.559,84.836 284.988,87.249
  rectangle net VBAT: 258.953,80.391 260.35,81.153
  rectangle net VCC5V: 213.36,90.932 214.122,92.075
  rectangle net VCC5V: 215.646,81.915 217.805,82.677
  rectangle net VCC5V: 215.773,85.09 219.075,85.852
  rectangle net VCC5V: 262.128,93.472 263.525,94.361
  rectangle net TR1-: 214.503,84.582 215.265,86.233
  rectangle net VCC5V: 234.95,94.742 235.712,96.139
  region net NetD1_2: 288.036,89.535 292.354,89.535 292.354,86.233 289.814,86.233 288.798,85.217 286.893,85.217 286.893,86.741 288.036,87.884
  region net VBAT: 287.909,90.297 287.909,89.789 295.148,89.789 298.831,86.106 301.879,86.106 301.879,90.043 299.085,92.837 295.529,92.837 295.275,92.583 295.275,91.694 294.64,91.059 290.83,91.059 290.068,90.297
  region net NetJ1_1: 289.052,80.137 289.052,79.756 289.433,79.375 290.322,79.375 290.322,81.153 290.195,81.28
  pour cut-out: 50.482,103.251 50.482,75.057 47.307,75.057 47.307,103.251
  pour cut-out: 90.233,103.251 90.233,75.057 87.058,75.057 87.058,103.251
  pour cut-out: 129.857,103.251 129.857,75.057 126.682,75.057 126.682,103.251
  pour cut-out: 169.481,103.251 169.481,75.057 166.306,75.057 166.306,103.251
  pour cut-out: 209.105,103.251 209.105,75.057 205.93,75.057 205.93,103.251
  pour cut-out: 248.73,103.611 248.73,74.676 245.554,74.676 245.554,103.611
Bottom Layer:
  rectangle net VCC5V: 267.335,93.472 268.732,94.361
  rectangle net VBAT: 295.529,91.059 296.672,92.71
  rectangle net NetJ1_1: 288.29,79.502 290.322,80.518
  rectangle net VBUS: 286.512,77.851 287.655,80.645
  rectangle net VBAT: 295.529,91.694 297.688,92.71
  rectangle net VBAT: 258.699,80.264 261.366,81.28
  rectangle net VCC5V: 262.128,93.472 263.525,94.361
  rectangle net TR1-: 214.503,84.582 215.265,87.249
  rectangle net VCC5V: 212.09,90.932 213.995,92.075
  rectangle net VCC5V: 212.852,91.313 213.487,93.091
  rectangle net VCC5V: 234.95,94.742 235.712,96.139
  region net BAT5V: 283.845,87.249 283.845,84.836 281.559,84.836 278.765,87.63 278.765,89.789 279.908,89.789 279.908,88.265 280.924,87.249
  region net UGND: 286.645,82.881 288.627,80.899 289.179,80.899 289.433,81.153 288.671,81.915 287.207,83.379
  region net VBUS: 276.86,80.264 276.987,80.137 276.987,77.597 276.733,77.343 275.082,77.343 275.082,80.01 275.336,80.264
  pour cut-out: 50.419,103.251 50.419,75.057 47.244,75.057 47.244,103.251
  region net VCC5V: 214.63,89.027 214.63,88.138 214.884,87.884 215.646,87.884 215.773,87.757 215.773,85.09 219.075,85.09 219.075,87.376 217.551,87.376 217.17,87.757 217.17,89.027
  region net VCC5V: 215.646,82.677 217.551,82.677 217.805,82.423 217.805,80.01 218.567,79.248 218.567,78.359 215.646,78.359
  pour cut-out: 90.17,103.251 90.17,75.057 86.995,75.057 86.995,103.251
  pour cut-out: 129.794,103.251 129.794,75.057 126.619,75.057 126.619,103.251
  pour cut-out: 169.418,103.251 169.418,75.057 166.243,75.057 166.243,103.251
  pour cut-out: 209.042,103.251 209.042,75.057 205.867,75.057 205.867,103.251
  pour cut-out: 248.666,103.611 248.666,74.676 245.491,74.676 245.491,103.611

## Silkscreen, mask and mechanical layers (free items; w line width, h text height)
Top Overlay:
  circle w0.254: c287.401,78.486 r1.805

## Dimensions
49.149,103.378 to 49.149,74.93 on Top Overlay
49.149,103.378 to 302.514,103.378 on Top Overlay
285.072,101.713 to 49.149,103.378 on Top Overlay

## Text inside footprints (layer, text, board x,y; h text height)
LS1: Top Overlay "+" at 62.484,99.949 h1.52 r180
LS2: Top Overlay "+" at 62.484,79.502 h1.52 r180
LS3: Top Overlay "+" at 82.042,99.949 h1.52 r180
LS4: Top Overlay "+" at 82.042,79.502 h1.52 r180
LS5: Top Overlay "+" at 102.108,99.949 h1.52 r180
LS6: Top Overlay "+" at 102.108,79.502 h1.52 r180
LS7: Top Overlay "+" at 121.666,99.949 h1.52 r180
LS8: Top Overlay "+" at 121.666,79.502 h1.52 r180
LS9: Top Overlay "+" at 141.732,99.949 h1.52 r180
LS10: Top Overlay "+" at 141.732,79.502 h1.52 r180
LS11: Top Overlay "+" at 161.29,99.949 h1.52 r180
LS12: Top Overlay "+" at 161.29,79.502 h1.52 r180
LS13: Top Overlay "+" at 181.356,99.949 h1.52 r180
LS14: Top Overlay "+" at 181.356,79.502 h1.52 r180
LS15: Top Overlay "+" at 200.914,99.949 h1.52 r180
LS16: Top Overlay "+" at 200.914,79.502 h1.52 r180
LS17: Top Overlay "+" at 220.98,99.949 h1.52 r180
LS18: Top Overlay "+" at 220.98,79.502 h1.52 r180
LS19: Top Overlay "+" at 240.538,99.949 h1.52 r180
LS20: Top Overlay "+" at 240.538,79.502 h1.52 r180
LS21: Top Overlay "+" at 260.604,99.949 h1.52 r180
LS22: Top Overlay "+" at 260.604,79.502 h1.52 r180
LS23: Top Overlay "+" at 280.162,99.949 h1.52 r180
LS24: Top Overlay "+" at 280.162,79.502 h1.52 r180